# KiCad board USB_panel.kicad_pcb (continued)
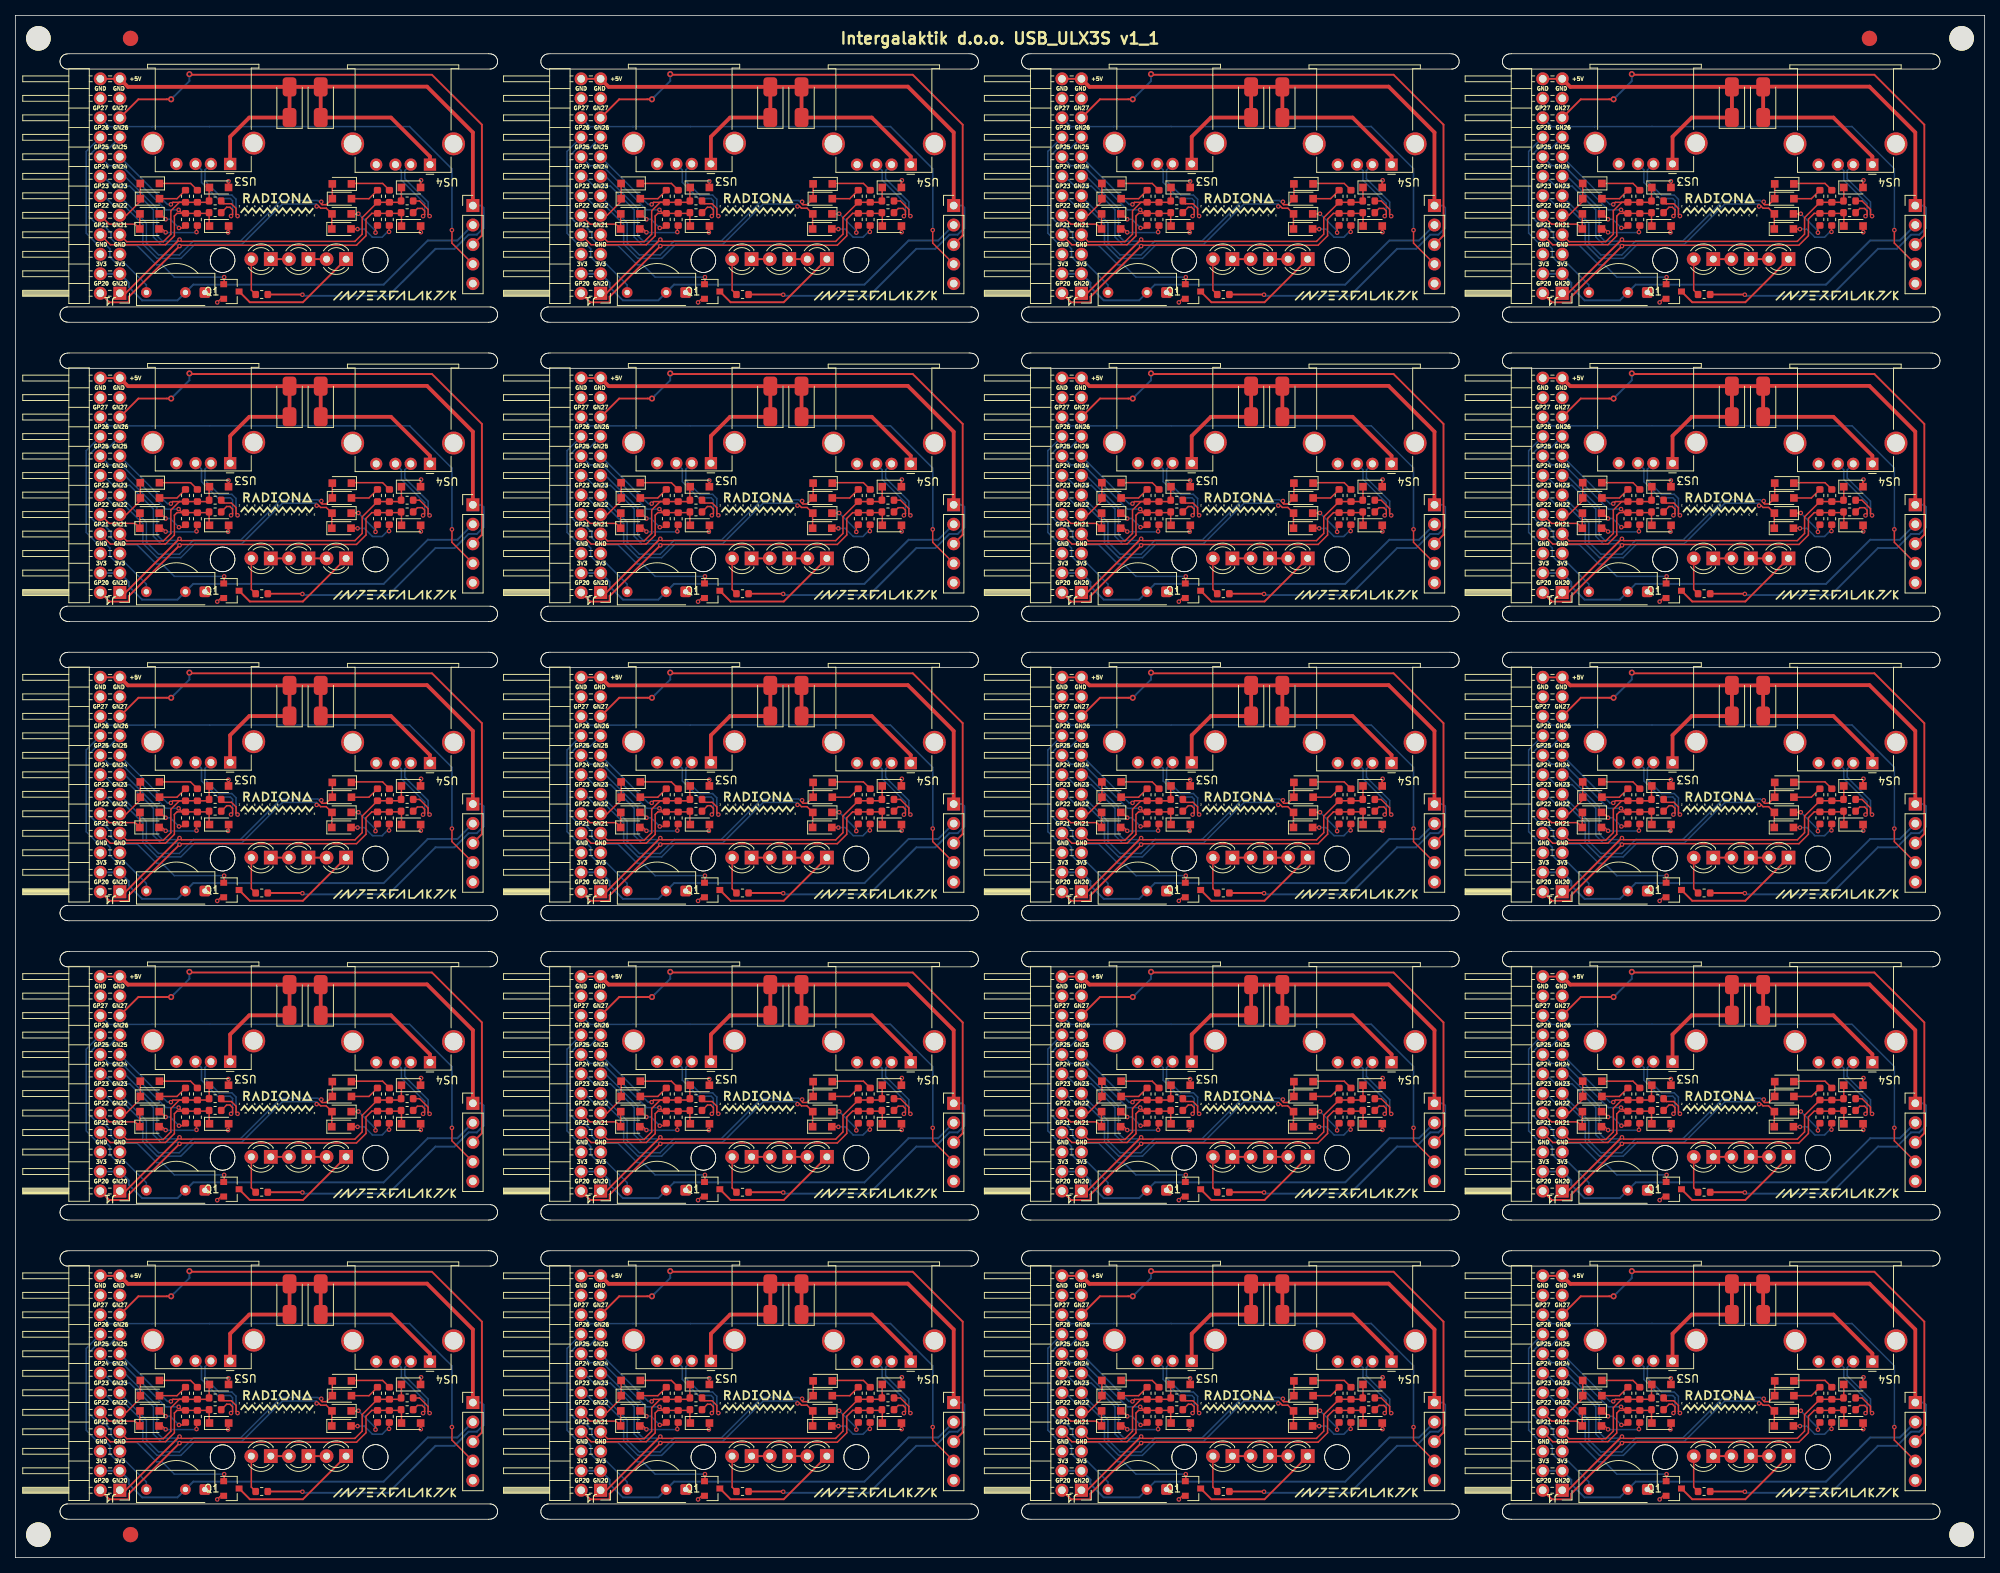
[diagram p0: board, top side]
## Nets (continued)
Board_17-/FPD1+: R6#10.2 US3#17.3
Board_17-/FPD1-: R5#11.2 US3#17.2
Board_17-/FPD2+: R12.2 US4#18.3
Board_17-/FPD2-: R11#20.2 US4#18.2
Board_17-GN26: J1#3.17 Q1#20.1
Board_17-GN27: J1#3.19 J2#18.3
Board_17-GND: D5#12.2 D7#5.2 D12#18.2 D14#13.2 J1#3.5 J1#3.6 J1#3.21 J1#3.22 J2#18.5 Q1#20.2 U1#20.1 US3#17.4 US3#17.5 US4#18.4 US4#18.5
Board_17-GP26: J1#3.18 U1#20.3
Board_17-GP27: J1#3.20 J2#18.4
Board_17-Net-(D1-K): D1#18.1 R1#17.1
Board_17-Net-(D2-A): D2#8.2 R2#9.1
Board_17-Net-(D3-K): D3#20.1 R3#10.2
Board_17-Net-(D4-A): D4.2 R4#12.1
Board_17-Net-(D8-K): D8#9.1 R7#13.1
Board_17-Net-(D9-A): D9#7.2 R8#10.1
Board_17-Net-(D10-K): D10#6.1 R9#3.2
Board_17-Net-(D11-A): D11#8.2 R10#11.1
Board_17-Net-(D15-A): D15#15.2 R13#7.2
Board_17-Net-(D15-K): D15#15.1 D16#20.2
Board_17-Net-(D16-K): D16#20.1 D17#4.2
Board_17-Net-(D17-K): D17#4.1 Q1#20.3
Board_17-USB1_FPGA_D+: D5#12.1 J1#3.8 J1#3.16 R1#17.2 R2#9.2 R6#10.1
Board_17-USB1_FPGA_D-: D7#5.1 J1#3.7 J1#3.15 R3#10.1 R4#12.2 R5#11.1
Board_17-USB1_FPGA_PULL_D+: D1#18.2 D2#8.1 J1#3.10
Board_17-USB1_FPGA_PULL_D-: D3#20.2 D4.1 J1#3.9
Board_17-USB2_FPGA_D+: D12#18.1 J1#3.2 J1#3.14 R7#13.2 R8#10.2 R12.1
Board_17-USB2_FPGA_D-: D14#13.1 J1#3.1 J1#3.13 R9#3.1 R10#11.2 R11#20.1
Board_17-USB2_FPGA_PULL_D+: D8#9.2 D9#7.1 J1#3.12
Board_17-USB2_FPGA_PULL_D-: D10#6.2 D11#8.1 J1#3.11
Board_18-+3V3: J1#7.3 J1#7.4 J2#7.2 U1#10.2
Board_18-+5V: D6#6.1 D6#6.2 D13#9.1 D13#9.2 J1#7.23 J1#7.24 J2#7.1 R13#14.1 US3#11.1 US4#15.1
Board_18-/FPD1+: R6#5.2 US3#11.3
Board_18-/FPD1-: R5#5.2 US3#11.2
Board_18-/FPD2+: R12#4.2 US4#15.3
Board_18-/FPD2-: R11.2 US4#15.2
Board_18-GN26: J1#7.17 Q1#3.1
Board_18-GN27: J1#7.19 J2#7.3
Board_18-GND: D5#16.2 D7#18.2 D12#16.2 D14#17.2 J1#7.5 J1#7.6 J1#7.21 J1#7.22 J2#7.5 Q1#3.2 U1#10.1 US3#11.4 US3#11.5 US4#15.4 US4#15.5
Board_18-GP26: J1#7.18 U1#10.3
Board_18-GP27: J1#7.20 J2#7.4
Board_18-Net-(D1-K): D1#9.1 R1#11.1
Board_18-Net-(D2-A): D2#5.2 R2#2.1
Board_18-Net-(D3-K): D3#10.1 R3#16.2
Board_18-Net-(D4-A): D4#8.2 R4#8.1
Board_18-Net-(D8-K): D8#11.1 R7#19.1
Board_18-Net-(D9-A): D9#12.2 R8#15.1
Board_18-Net-(D10-K): D10.1 R9#5.2
Board_18-Net-(D11-A): D11#10.2 R10#13.1
Board_18-Net-(D15-A): D15#7.2 R13#14.2
Board_18-Net-(D15-K): D15#7.1 D16#10.2
Board_18-Net-(D16-K): D16#10.1 D17#3.2
Board_18-Net-(D17-K): D17#3.1 Q1#3.3
Board_18-USB1_FPGA_D+: D5#16.1 J1#7.8 J1#7.16 R1#11.2 R2#2.2 R6#5.1
Board_18-USB1_FPGA_D-: D7#18.1 J1#7.7 J1#7.15 R3#16.1 R4#8.2 R5#5.1
Board_18-USB1_FPGA_PULL_D+: D1#9.2 D2#5.1 J1#7.10
Board_18-USB1_FPGA_PULL_D-: D3#10.2 D4#8.1 J1#7.9
Board_18-USB2_FPGA_D+: D12#16.1 J1#7.2 J1#7.14 R7#19.2 R8#15.2 R12#4.1
Board_18-USB2_FPGA_D-: D14#17.1 J1#7.1 J1#7.13 R9#5.1 R10#13.2 R11.1
Board_18-USB2_FPGA_PULL_D+: D8#11.2 D9#12.1 J1#7.12
Board_18-USB2_FPGA_PULL_D-: D10.2 D11#10.1 J1#7.11
Board_19-+3V3: J1#16.3 J1#16.4 J2#4.2 U1#16.2
Board_19-+5V: D6#8.1 D6#8.2 D13#11.1 D13#11.2 J1#16.23 J1#16.24 J2#4.1 R13.1 US3.1 US4#17.1
Board_19-/FPD1+: R6#9.2 US3.3
Board_19-/FPD1-: R5#17.2 US3.2
Board_19-/FPD2+: R12#7.2 US4#17.3
Board_19-/FPD2-: R11#15.2 US4#17.2
Board_19-GN26: J1#16.17 Q1#9.1
Board_19-GN27: J1#16.19 J2#4.3
Board_19-GND: D5#20.2 D7.2 D12#6.2 D14#20.2 J1#16.5 J1#16.6 J1#16.21 J1#16.22 J2#4.5 Q1#9.2 U1#16.1 US3.4 US3.5 US4#17.4 US4#17.5
Board_19-GP26: J1#16.18 U1#16.3
Board_19-GP27: J1#16.20 J2#4.4
Board_19-Net-(D1-K): D1#7.1 R1#13.1
Board_19-Net-(D2-A): D2#15.2 R2#12.1
Board_19-Net-(D3-K): D3#17.1 R3#4.2
Board_19-Net-(D4-A): D4#7.2 R4#13.1
Board_19-Net-(D8-K): D8#3.1 R7#8.1
Board_19-Net-(D9-A): D9#15.2 R8#3.1
Board_19-Net-(D10-K): D10#19.1 R9#12.2
Board_19-Net-(D11-A): D11#3.2 R10#20.1
Board_19-Net-(D15-A): D15#4.2 R13.2
Board_19-Net-(D15-K): D15#4.1 D16#19.2
Board_19-Net-(D16-K): D16#19.1 D17#8.2
Board_19-Net-(D17-K): D17#8.1 Q1#9.3
Board_19-USB1_FPGA_D+: D5#20.1 J1#16.8 J1#16.16 R1#13.2 R2#12.2 R6#9.1
Board_19-USB1_FPGA_D-: D7.1 J1#16.7 J1#16.15 R3#4.1 R4#13.2 R5#17.1
Board_19-USB1_FPGA_PULL_D+: D1#7.2 D2#15.1 J1#16.10
Board_19-USB1_FPGA_PULL_D-: D3#17.2 D4#7.1 J1#16.9
Board_19-USB2_FPGA_D+: D12#6.1 J1#16.2 J1#16.14 R7#8.2 R8#3.2 R12#7.1
Board_19-USB2_FPGA_D-: D14#20.1 J1#16.1 J1#16.13 R9#12.1 R10#20.2 R11#15.1
Board_19-USB2_FPGA_PULL_D+: D8#3.2 D9#15.1 J1#16.12
Board_19-USB2_FPGA_PULL_D-: D10#19.2 D11#3.1 J1#16.11

## Via types
v1: diameter 0.6, hole 0.3, Top to Bottom, 520 vias
v2: diameter 0.8, hole 0.4, Top to Bottom, 40 vias

## Routing (per net, layer and track width the routed paths; a pad name or vN(x,y) marks a point on that pad's centre or on a via; arc(x,y) is an arc through that point)
Board_0-+3V3: length 54.3
  Bottom w0.25: J2#17.2 57.56,171.61 53.7,171.61 47.95,165.86 23.17,165.86 U1#6.2 21.11,163.81 16.5,163.81 14.78,165.53 14.78,166.09 J1#8.3 J1#8.4
Board_0-+5V: length 134.7
  Top w0.2: D13#20.2 39.81,191.58
  Top w0.25: v1(37.38,164.54) 37.35,164.57 R13#15.1 ; 11.06,192.67 13.6,192.67
  Top w0.5: D6#11.2 14.65,191.62 13.6,192.67 ; D6#11.2 D13#20.2 ; D6#11.2 D6#11.1 30.46,187.62 27.97,185.13 US3#14.1 ; J2#17.1 59.58,185.68 53.61,191.65 39.8,191.65 D13#20.2 ; D13#20.2 D13#20.1 48.91,187.62 53.99,182.54 US4#4.1
  Bottom w0.25: v1(37.38,164.54) 37.52,164.4 48.59,164.4 54.71,170.52 57.19,170.52 58.4,171.73 58.4,171.75 59.02,172.36 60.09,172.36 60.97,173.23 60.97,175.87 60.68,176.16 J2#17.1
Board_0-/FPD1+: length 12.6
  Top w0.2: v1(28.08,174.79) 28.28,174.99 28.28,175.6 27.94,175.94 27.52,175.94 R6#4.2
  Bottom w0.2: US3#14.3 24.24,180.81 24.24,179.17 26.34,177.08 28,177.08 28.28,176.79 28.28,174.99 v1(28.08,174.79)
Board_0-/FPD1-: length 13.2
  Top w0.2: R5#2.2 27.17,176.39 28.13,176.39 28.74,175.79 28.74,174.99 v1(28.93,174.79)
  Bottom w0.2: US3#14.2 24.69,180.81 24.69,179.36 26.52,177.53 28.18,177.53 28.74,176.98 28.74,174.99 v1(28.93,174.79)
Board_0-/FPD2+: length 11
  Top w0.2: v1(53.09,174.78) 53.29,174.98 53.29,175.47 52.98,175.78 52.36,175.78 R12#17.2
  Bottom w0.2: US4#4.3 50.26,180.72 50.26,179.47 53.29,176.44 53.29,174.98 v1(53.09,174.78)
Board_0-/FPD2-: length 12.4
  Top w0.2: R11#18.2 52.64,176.76 53.75,175.66 53.75,174.98 v1(53.95,174.78) ; 50.79,181.68 51.24,182.13
  Bottom w0.2: v1(53.95,174.78) 53.75,174.98 53.75,176.63 50.72,179.66 50.72,180.72 US4#4.2
Board_0-GN26: length 35.1
  Top w0.2: Q1#2.1 27.19,165.97 v1(27.19,166.83)
  Bottom w0.2: 13.6,185.05 12.21,183.66 10.59,183.66 9.63,182.7 9.63,174.7 10.83,173.5 11.57,173.5 12.45,172.61 12.45,171.87 13.37,170.96 15.85,170.96 18.37,168.44 19.09,168.44 20.7,166.83 v1(27.19,166.83)
Board_0-GN27: length 68.9
  Top w0.25: v2(20.29,190.01) 16.02,190.01 13.6,187.59 ; J2#17.3 60.75,172.26 60.75,186.69 54.25,193.2 22.75,193.2 v2(22.67,193.28)
  Bottom w0.25: v2(22.67,193.28) 22.67,192.38 v2(20.29,190.01)
Board_0-GND: length 4.8
  Top w0.2: D7#19.2 27.76,179.31 v1(27.75,179.32) ; Q1#2.2 26.76,164.01 v1(26.29,163.54) ; D5#8.2 27.78,172.74 v1(27.7,172.66)
  Top w0.25: v1(52.83,179.45) 52.77,179.39 D14#14.2 ; v1(52.8,172.69) 52.78,172.71 D12#4.2
  Bottom w0.5: 43.67,184.84 44.03,184.84
Board_0-GP26: length 25.5
  Bottom w0.2: U1#6.3 17.06,165.82 14.32,168.56 13.23,168.56 12.31,169.48 12.31,170.52 11.73,171.1 10.69,171.1 9.23,172.56 9.23,183.22 11.06,185.05
Board_0-GP27: length 62.1
  Top w0.2: J2#17.4 56.85,171.27 v1(56.85,172.96)
  Bottom w0.2: v1(56.85,172.96) 56.85,180.94 51.34,186.45 17.82,186.45 17.81,186.44 12.21,186.44 11.06,187.59
Board_0-Net-(D1-K): length 4.3
  Top w0.2: v1(19.57,174.37) 18.87,175.07 D1#15.1 ; v1(21.3,173.24) 21.83,173.24 R1#8.1
  Bottom w0.2: v1(19.57,174.37) 20.17,174.37 v1(21.3,173.24)
Board_0-Net-(D2-A): length 6
  Top w0.2: R2#4.1 23.59,173.44 v1(23.59,172.7) ; v1(19.57,172.67) 19.13,173.11 D2#20.2
  Bottom w0.2: v1(19.57,172.67) 19.6,172.64 23.53,172.64 v1(23.59,172.7)
Board_0-Net-(D3-K): length 5.3
  Top w0.2: D3#6.1 22.82,179.04 R3#3.2
Board_0-Net-(D4-A): length 3.8
  Top w0.2: R4#11.1 21.05,177.05 D4#15.2
Board_0-Net-(D8-K): length 5.4
  Top w0.2: D8#5.1 44.65,175.07 v1(44.67,175.09) ; R7#14.1 46.9,173.31 v1(46.9,172.63)
  Bottom w0.2: v1(44.67,175.09) 46.9,172.86 v1(46.9,172.63)
Board_0-Net-(D9-A): length 6.5
  Top w0.2: D9#2.2 44.54,173.11 v1(44.56,173.09) ; v1(48.66,172.73) 48.66,173.52 R8#5.1
  Bottom w0.2: v1(44.56,173.09) 45.45,173.09 46.51,172.03 47.76,172.03 48.46,172.73 v1(48.66,172.73)
Board_0-Net-(D10-K): length 5.3
  Top w0.2: R9#8.2 47.83,179.04 43.77,179.04
Board_0-Net-(D11-A): length 3.8
  Top w0.2: R10#5.1 46.05,177.05 D11#18.2
Board_0-Net-(D15-A): length 4.8
  Top w0.2: D15#11.2 30.73,165.14 R13#15.2
Board_0-Net-(D15-K): length 2.4
  Top w0.25: D15#11.1 D16#5.2
Board_0-Net-(D16-K): length 2.4
  Top w0.25: D16#5.1 D17#9.2
Board_0-Net-(D17-K): length 16.8
  Top w0.25: Q1#2.3 30.53,163.56 37.45,163.56 D17#9.1
Board_0-USB1_FPGA_D+: length 33.9
  Top w0.2: 11.06,172.35 12.36,171.05 19.55,171.05 20.71,172.21 20.71,174.8 21.05,175.14 R1#8.2 ; v1(21.26,175.6) 21.72,175.14 R1#8.2 ; R1#8.2 25.14,175.14 R6#4.1 25.23,173.54 D5#8.1
  Bottom w0.2: 11.06,182.51 12.21,181.36 13.84,181.36 19.6,175.6 v1(21.26,175.6)
Board_0-USB1_FPGA_D-: length 29
  Top w0.2: v1(20.25,176.31) 20.52,176.58 R4#11.2 ; R4#11.2 21.36,176.58 20.25,175.48 20.25,172.44 19.27,171.45 14.5,171.45 13.6,172.35 ; R4#11.2 23.7,176.58 R3#3.1 25.05,176.58 R5#2.1 25.23,178.48 D7#19.1
  Bottom w0.2: 13.6,182.51 19.8,176.31 v1(20.25,176.31)
Board_0-USB1_FPGA_PULL_D+: length 7.9
  Top w0.2: 11.06,174.89 12.21,173.74 15.58,173.74 D2#20.1 16.21,175.05 D1#15.2
Board_0-USB1_FPGA_PULL_D-: length 5.8
  Top w0.2: 13.6,174.89 14.46,174.89 16.27,176.7 D4#15.1 D3#6.2
Board_0-USB2_FPGA_D+: length 64.1
  Top w0.2: D12#4.1 50.28,175.18 R12#17.1 50.14,175.14 R7#14.2 46.42,175.14 45.66,174.38 45.66,172.23 44.43,170.99 21.5,170.99 v1(21.38,170.88)
  Top w0.25: J1#8.2 12.24,163.56 14.78,163.56 14.78,164.28 v1(21.38,170.88)
  Bottom w0.2: 11.06,179.97 11.51,179.52 11.9,179.52 12.73,178.69 14.89,178.69 17.97,175.61 17.97,172.06 18.96,171.08 21.18,171.08 v1(21.38,170.88)
Board_0-USB2_FPGA_D-: length 58.3
  Top w0.2: D14#14.1 50.27,176.79 R11#18.1 50.06,176.58 R10#5.2 45.16,174.59 45.16,172.44 44.22,171.49 21.61,171.49 v1(21.38,171.73)
  Top w0.25: v1(21.38,171.73) 21.35,171.73 14.35,164.73 J1#8.1
  Bottom w0.2: v1(21.38,171.73) 21.18,171.53 19.14,171.53 18.43,172.25 18.43,175.8 14.25,179.97 13.6,179.97
Board_0-USB2_FPGA_PULL_D+: length 40.7
  Top w0.2: D9#2.1 41.21,175.05 D8#5.2 40.49,175.82 39.76,175.82 39.52,176.05 v1(39.24,176.05)
  Bottom w0.2: v1(39.24,176.05) 39.24,176.33 39.21,176.37 34.77,176.37 29.51,171.11 23.37,171.11 21.54,169.28 18.46,169.28 16.61,171.13 16.61,173.71 14.15,176.16 12.77,176.16 11.5,177.43 J1#8.12
Board_0-USB2_FPGA_PULL_D-: length 38.1
  Top w0.2: 41.27,179.04 D11#18.1 40.49,176.27 39.94,176.27 39.84,176.37 v1(39.84,176.65)
  Bottom w0.2: v1(39.84,176.65) 39.56,176.65 39.39,176.82 34.59,176.82 29.33,171.56 23.19,171.56 21.36,169.73 18.64,169.73 17.06,171.32 17.06,173.91 13.6,177.36 J1#8.11
Board_1-+3V3: length 54.3
  Bottom w0.25: J1#5.4 J1#5.3 77.39,166.09 77.39,165.53 79.12,163.81 83.73,163.81 U1#7.2 85.78,165.86 110.56,165.86 116.31,171.61 120.18,171.61 J2#3.2
Board_1-+5V: length 134.7
  Top w0.2: D13#3.2 102.42,191.58
  Top w0.25: R13#8.1 99.96,164.57 v1(99.99,164.54) ; 73.67,192.67 76.21,192.67
  Top w0.5: US4#13.1 116.6,182.54 111.52,187.62 D13#3.1 D13#3.2 ; US3#15.1 90.58,185.13 93.07,187.62 D6#13.1 D6#13.2 ; D13#3.2 102.41,191.65 116.22,191.65 122.19,185.68 J2#3.1 ; D13#3.2 D6#13.2 ; D6#13.2 77.26,191.62 76.21,192.67
  Bottom w0.25: J2#3.1 123.29,176.16 123.58,175.87 123.58,173.23 122.7,172.36 121.63,172.36 121.01,171.75 121.01,171.73 119.8,170.52 117.32,170.52 111.2,164.4 100.13,164.4 v1(99.99,164.54)
Board_1-/FPD1+: length 12.6
  Top w0.2: R6#3.2 90.13,175.94 90.55,175.94 90.89,175.6 90.89,174.99 v1(90.7,174.79)
  Bottom w0.2: v1(90.7,174.79) 90.89,174.99 90.89,176.79 90.61,177.08 88.95,177.08 86.85,179.17 86.85,180.81 US3#15.3
Board_1-/FPD1-: length 13.2
  Top w0.2: R5#19.2 89.78,176.39 90.74,176.39 91.35,175.79 91.35,174.99 v1(91.55,174.79)
  Bottom w0.2: US3#15.2 87.3,180.81 87.3,179.36 89.13,177.53 90.79,177.53 91.35,176.98 91.35,174.99 v1(91.55,174.79)
Board_1-/FPD2+: length 11
  Top w0.2: R12#6.2 114.97,175.78 115.59,175.78 115.9,175.47 115.9,174.98 v1(115.71,174.78)
  Bottom w0.2: v1(115.71,174.78) 115.9,174.98 115.9,176.44 112.87,179.47 112.87,180.72 US4#13.3
Board_1-/FPD2-: length 12.4
  Top w0.2: v1(116.56,174.78) 116.36,174.98 116.36,175.66 115.25,176.76 R11#7.2 ; 113.4,181.68 113.85,182.13
  Bottom w0.2: v1(116.56,174.78) 116.36,174.98 116.36,176.63 113.33,179.66 113.33,180.72 US4#13.2
Board_1-GN26: length 35.1
  Top w0.2: Q1#18.1 89.8,165.97 v1(89.8,166.83)
  Bottom w0.2: v1(89.8,166.83) 83.31,166.83 81.7,168.44 80.98,168.44 78.46,170.96 75.98,170.96 75.06,171.87 75.06,172.61 74.18,173.5 73.44,173.5 72.24,174.7 72.24,182.7 73.2,183.66 74.82,183.66 76.21,185.05
Board_1-GN27: length 68.9
  Top w0.25: v2(82.9,190.01) 78.63,190.01 76.21,187.59 ; J2#3.3 123.36,172.26 123.36,186.69 116.86,193.2 85.36,193.2 v2(85.28,193.28)
  Bottom w0.25: v2(85.28,193.28) 85.28,192.38 v2(82.9,190.01)
Board_1-GND: length 4.8
  Top w0.2: v1(88.9,163.54) 89.37,164.01 Q1#18.2 ; D7#12.2 90.38,179.31 v1(90.36,179.32) ; D5#19.2 90.39,172.74 v1(90.31,172.66)
  Top w0.25: v1(115.41,172.69) 115.39,172.71 D12#3.2 ; D14#4.2 115.38,179.39 v1(115.44,179.45)
  Bottom w0.5: 106.28,184.84 106.64,184.84
Board_1-GP26: length 25.5
  Bottom w0.2: 73.67,185.05 71.84,183.22 71.84,172.56 73.3,171.1 74.34,171.1 74.92,170.52 74.92,169.48 75.84,168.56 76.93,168.56 79.67,165.82 U1#7.3
Board_1-GP27: length 62.1
  Top w0.2: J2#3.4 119.46,171.27 v1(119.46,172.96)
  Bottom w0.2: v1(119.46,172.96) 119.46,180.94 113.95,186.45 80.43,186.45 80.42,186.44 74.82,186.44 73.67,187.59
Board_1-Net-(D1-K): length 4.3
  Top w0.2: R1#7.1 84.44,173.24 v1(83.91,173.24) ; v1(82.18,174.37) 81.48,175.07 D1#2.1
  Bottom w0.2: v1(83.91,173.24) 82.78,174.37 v1(82.18,174.37)
Board_1-Net-(D2-A): length 6
  Top w0.2: R2#13.1 86.2,173.44 v1(86.2,172.7) ; D2#7.2 81.74,173.11 v1(82.18,172.67)
  Bottom w0.2: v1(86.2,172.7) 86.14,172.64 82.21,172.64 v1(82.18,172.67)
Board_1-Net-(D3-K): length 5.3
  Top w0.2: D3#8.1 85.43,179.04 R3#17.2
Board_1-Net-(D4-A): length 3.8
  Top w0.2: R4#4.1 83.66,177.05 D4#14.2
Board_1-Net-(D8-K): length 5.4
  Top w0.2: v1(107.28,175.09) 107.26,175.07 D8#2.1 ; R7#3.1 109.51,173.31 v1(109.51,172.63)
  Bottom w0.2: v1(109.51,172.63) 109.51,172.86 v1(107.28,175.09)
Board_1-Net-(D9-A): length 6.5
  Top w0.2: v1(107.17,173.09) 107.15,173.11 D9#18.2 ; R8#14.1 111.27,173.52 v1(111.27,172.73)
  Bottom w0.2: v1(111.27,172.73) 111.07,172.73 110.37,172.03 109.12,172.03 108.06,173.09 v1(107.17,173.09)
Board_1-Net-(D10-K): length 5.3
  Top w0.2: R9#18.2 110.44,179.04 106.38,179.04
Board_1-Net-(D11-A): length 3.8
  Top w0.2: D11#9.2 108.66,177.05 R10#16.1
Board_1-Net-(D15-A): length 4.8
  Top w0.2: D15#6.2 93.34,165.14 R13#8.2
Board_1-Net-(D15-K): length 2.4
  Top w0.25: D15#6.1 D16#7.2
Board_1-Net-(D16-K): length 2.4
  Top w0.25: D16#7.1 D17#11.2
Board_1-Net-(D17-K): length 16.8
  Top w0.25: D17#11.1 100.06,163.56 93.14,163.56 Q1#18.3
Board_1-USB1_FPGA_D+: length 33.9
  Top w0.2: R1#7.2 83.66,175.14 83.31,174.8 83.31,172.21 82.16,171.05 74.97,171.05 73.67,172.35 ; R1#7.2 84.33,175.14 v1(83.87,175.6) ; R1#7.2 87.75,175.14 R6#3.1 87.84,173.54 D5#19.1
  Bottom w0.2: 73.67,182.51 74.82,181.36 76.45,181.36 82.21,175.6 v1(83.87,175.6)
Board_1-USB1_FPGA_D-: length 29
  Top w0.2: R4#4.2 86.31,176.58 R3#17.1 87.66,176.58 R5#19.1 87.84,178.48 D7#12.1 ; R4#4.2 83.97,176.58 82.87,175.48 82.87,172.44 81.88,171.45 77.11,171.45 76.21,172.35 ; R4#4.2 83.13,176.58 v1(82.86,176.31)
  Bottom w0.2: v1(82.86,176.31) 82.41,176.31 76.21,182.51
Board_1-USB1_FPGA_PULL_D+: length 7.9
  Top w0.2: D1#2.2 78.82,175.05 D2#7.1 78.19,173.74 74.82,173.74 73.67,174.89
Board_1-USB1_FPGA_PULL_D-: length 5.8
  Top w0.2: 76.21,174.89 77.07,174.89 78.88,176.7 D4#14.1 D3#8.2
Board_1-USB2_FPGA_D+: length 64.1
  Top w0.2: v1(83.99,170.88) 84.11,170.99 107.04,170.99 108.27,172.23 108.27,174.38 109.03,175.14 R7#3.2 112.75,175.14 R12#6.1 112.89,175.18 D12#3.1
  Top w0.25: J1#5.2 74.85,163.56 77.39,163.56 77.39,164.28 v1(83.99,170.88)
  Bottom w0.2: v1(83.99,170.88) 83.79,171.08 81.57,171.08 80.59,172.06 80.59,175.61 77.5,178.69 75.34,178.69 74.51,179.52 74.12,179.52 73.67,179.97
Board_1-USB2_FPGA_D-: length 58.3
  Top w0.2: D14#4.1 112.88,176.79 R11#7.1 112.66,176.58 R10#16.2 107.77,174.59 107.77,172.44 106.83,171.49 84.22,171.49 v1(83.99,171.73)
  Top w0.25: J1#5.1 76.96,164.73 83.96,171.73 v1(83.99,171.73)
  Bottom w0.2: 76.21,179.97 76.86,179.97 81.04,175.8 81.04,172.25 81.75,171.53 83.79,171.53 v1(83.99,171.73)
Board_1-USB2_FPGA_PULL_D+: length 40.7
  Top w0.2: v1(101.85,176.05) 102.13,176.05 102.37,175.82 103.1,175.82 D8#2.2 103.82,175.05 D9#18.1
  Bottom w0.2: J1#5.12 74.11,177.43 75.38,176.16 76.76,176.16 79.22,173.71 79.22,171.13 81.07,169.28 84.15,169.28 85.98,171.11 92.12,171.11 97.38,176.37 101.82,176.37 101.85,176.33 v1(101.85,176.05)
Board_1-USB2_FPGA_PULL_D-: length 38.1
  Top w0.2: 103.88,179.04 D11#9.1 103.1,176.27 102.55,176.27 102.45,176.37 v1(102.45,176.65)
  Bottom w0.2: v1(102.45,176.65) 102.17,176.65 102,176.82 97.2,176.82 91.94,171.56 85.8,171.56 83.97,169.73 81.25,169.73 79.67,171.32 79.67,173.91 76.21,177.36 J1#5.11
Board_2-+3V3: length 54.3
  Bottom w0.25: J2#14.2 182.78,171.61 178.93,171.61 173.18,165.86 148.38,165.86 U1#13.2 146.34,163.81 141.72,163.81 140,165.53 140,166.09 J1#15.3 J1#15.4
Board_2-+5V: length 134.7
  Top w0.2: D13#8.2 165.03,191.58
  Top w0.25: v1(162.6,164.54) 162.57,164.57 R13#20.1 ; 136.28,192.67 138.82,192.67
  Top w0.5: D13#8.2 165.02,191.65 178.83,191.65 184.8,185.68 J2#14.1 ; D13#8.2 D13#8.1 174.13,187.62 179.21,182.54 US4#6.1 ; D13#8.2 D6#16.2 ; D6#16.2 D6#16.1 155.68,187.62 153.19,185.13 US3#9.1 ; D6#16.2 139.87,191.62 138.82,192.67
  Bottom w0.25: J2#14.1 185.9,176.16 186.19,175.87 186.19,173.23 185.31,172.36 184.24,172.36 183.62,171.75 183.62,171.73 182.41,170.52 179.93,170.52 173.81,164.4 162.74,164.4 v1(162.6,164.54)
Board_2-/FPD1+: length 12.6
  Top w0.2: v1(153.31,174.79) 153.5,174.99 153.5,175.6 153.16,175.94 152.74,175.94 R6#19.2
  Bottom w0.2: v1(153.31,174.79) 153.5,174.99 153.5,176.79 153.22,177.08 151.56,177.08 149.46,179.17 149.46,180.81 US3#9.3
Board_2-/FPD1-: length 13.2
  Top w0.2: v1(154.16,174.79) 153.96,174.99 153.96,175.79 153.35,176.39 152.39,176.39 R5#3.2
  Bottom w0.2: US3#9.2 149.91,180.81 149.91,179.36 151.74,177.53 153.4,177.53 153.96,176.98 153.96,174.99 v1(154.16,174.79)
Board_2-/FPD2+: length 11
  Top w0.2: R12#2.2 177.58,175.78 178.2,175.78 178.51,175.47 178.51,174.98 v1(178.31,174.78)
  Bottom w0.2: US4#6.3 175.48,180.72 175.48,179.47 178.51,176.44 178.51,174.98 v1(178.31,174.78)
Board_2-/FPD2-: length 12.4
  Top w0.2: 176.01,181.68 176.46,182.13 ; R11#12.2 177.86,176.76 178.97,175.66 178.97,174.98 v1(179.16,174.78)
  Bottom w0.2: US4#6.2 175.94,180.72 175.94,179.66 178.97,176.63 178.97,174.98 v1(179.16,174.78)
Board_2-GN26: length 35.1
  Top w0.2: v1(152.41,166.83) 152.41,165.97 Q1#4.1
  Bottom w0.2: 138.82,185.05 137.43,183.66 135.81,183.66 134.85,182.7 134.85,174.7 136.05,173.5 136.79,173.5 137.67,172.61 137.67,171.87 138.59,170.96 141.07,170.96 143.59,168.44 144.31,168.44 145.92,166.83 v1(152.41,166.83)
Board_2-GN27: length 68.9
  Top w0.25: J2#14.3 185.97,172.26 185.97,186.69 179.47,193.2 147.97,193.2 v2(147.89,193.28) ; 138.82,187.59 141.24,190.01 v2(145.51,190.01)
  Bottom w0.25: v2(147.89,193.28) 147.89,192.38 v2(145.51,190.01)
Board_2-GND: length 4.8
  Top w0.2: v1(152.97,179.32) 152.99,179.31 D7#10.2 ; v1(152.92,172.66) 153,172.74 D5#5.2 ; Q1#4.2 151.98,164.01 v1(151.51,163.54)
  Top w0.25: v1(178.05,179.45) 177.99,179.39 D14#2.2 ; v1(178.02,172.69) 178,172.71 D12#8.2
  Bottom w0.5: 168.89,184.84 169.25,184.84
Board_2-GP26: length 25.5
  Bottom w0.2: U1#13.3 142.28,165.82 139.54,168.56 138.45,168.56 137.53,169.48 137.53,170.52 136.95,171.1 135.91,171.1 134.45,172.56 134.45,183.22 136.28,185.05
Board_2-GP27: length 62.1
  Top w0.2: v1(182.07,172.96) 182.07,171.27 J2#14.4
  Bottom w0.2: 136.28,187.59 137.43,186.44 143.03,186.44 143.04,186.45 176.56,186.45 182.07,180.94 v1(182.07,172.96)
Board_2-Net-(D1-K): length 4.3
  Top w0.2: v1(144.79,174.37) 144.09,175.07 D1#10.1 ; v1(146.52,173.24) 147.05,173.24 R1#9.1
  Bottom w0.2: v1(146.52,173.24) 145.39,174.37 v1(144.79,174.37)
Board_2-Net-(D2-A): length 6
  Top w0.2: v1(144.79,172.67) 144.35,173.11 D2#3.2 ; v1(148.81,172.7) 148.81,173.44 R2#7.1
  Bottom w0.2: v1(144.79,172.67) 144.82,172.64 148.75,172.64 v1(148.81,172.7)
Board_2-Net-(D3-K): length 5.3
  Top w0.2: D3#11.1 148.04,179.04 R3#19.2
Board_2-Net-(D4-A): length 3.8
  Top w0.2: D4#6.2 146.27,177.05 R4#16.1
Board_2-Net-(D8-K): length 5.4
  Top w0.2: R7#4.1 172.12,173.31 v1(172.12,172.63) ; v1(169.89,175.09) 169.87,175.07 D8#13.1
  Bottom w0.2: v1(169.89,175.09) 172.12,172.86 v1(172.12,172.63)
Board_2-Net-(D9-A): length 6.5
  Top w0.2: R8#16.1 173.88,173.52 v1(173.88,172.73) ; v1(169.78,173.09) 169.76,173.11 D9#14.2
  Bottom w0.2: v1(173.88,172.73) 173.68,172.73 172.98,172.03 171.73,172.03 170.67,173.09 v1(169.78,173.09)
Board_2-Net-(D10-K): length 5.3
  Top w0.2: 168.99,179.04 173.05,179.04 R9#15.2
Board_2-Net-(D11-A): length 3.8
  Top w0.2: D11#14.2 171.27,177.05 R10#3.1
Board_2-Net-(D15-A): length 4.8
  Top w0.2: D15#8.2 155.95,165.14 R13#20.2
Board_2-Net-(D15-K): length 2.4
  Top w0.25: D15#8.1 D16#13.2
Board_2-Net-(D16-K): length 2.4
  Top w0.25: D16#13.1 D17#19.2
Board_2-Net-(D17-K): length 16.8
  Top w0.25: Q1#4.3 155.75,163.56 162.67,163.56 D17#19.1
Board_2-USB1_FPGA_D+: length 33.9
  Top w0.2: 136.28,172.35 137.58,171.05 144.77,171.05 145.93,172.21 145.93,174.8 146.27,175.14 R1#9.2 ; D5#5.1 150.45,173.54 R6#19.1 150.36,175.14 R1#9.2 ; R1#9.2 146.94,175.14 v1(146.48,175.6)
  Bottom w0.2: 136.28,182.51 137.43,181.36 139.06,181.36 144.82,175.6 v1(146.48,175.6)
Board_2-USB1_FPGA_D-: length 29
  Top w0.2: D7#10.1 150.45,178.48 R5#3.1 150.27,176.58 R3#19.1 148.92,176.58 R4#16.2 ; R4#16.2 145.74,176.58 v1(145.47,176.31) ; R4#16.2 146.58,176.58 145.47,175.48 145.47,172.44 144.49,171.45 139.72,171.45 138.82,172.35
  Bottom w0.2: v1(145.47,176.31) 145.02,176.31 138.82,182.51
Board_2-USB1_FPGA_PULL_D+: length 7.9
  Top w0.2: 136.28,174.89 137.43,173.74 140.8,173.74 D2#3.1 141.43,175.05 D1#10.2
Board_2-USB1_FPGA_PULL_D-: length 5.8
  Top w0.2: D3#11.2 D4#6.1 141.49,176.7 139.68,174.89 138.82,174.89
Board_2-USB2_FPGA_D+: length 64.1
  Top w0.2: v1(146.6,170.88) 146.72,170.99 169.65,170.99 170.88,172.23 170.88,174.38 171.64,175.14 R7#4.2 175.36,175.14 R12#2.1 175.5,175.18 D12#8.1
  Top w0.25: J1#15.2 137.46,163.56 140,163.56 140,164.28 v1(146.6,170.88)
  Bottom w0.2: 136.28,179.97 136.73,179.52 137.12,179.52 137.95,178.69 140.11,178.69 143.19,175.61 143.19,172.06 144.18,171.08 146.4,171.08 v1(146.6,170.88)
Board_2-USB2_FPGA_D-: length 58.3
  Top w0.2: D14#2.1 175.49,176.79 R11#12.1 175.28,176.58 R10#3.2 170.38,174.59 170.38,172.44 169.44,171.49 146.83,171.49 v1(146.6,171.73)
  Top w0.25: v1(146.6,171.73) 146.57,171.73 139.57,164.73 J1#15.1
  Bottom w0.2: v1(146.6,171.73) 146.4,171.53 144.36,171.53 143.65,172.25 143.65,175.8 139.47,179.97 138.82,179.97
Board_2-USB2_FPGA_PULL_D+: length 40.7
  Top w0.2: v1(164.46,176.05) 164.74,176.05 164.98,175.82 165.71,175.82 D8#13.2 166.43,175.05 D9#14.1
  Bottom w0.2: v1(164.46,176.05) 164.46,176.33 164.43,176.37 159.99,176.37 154.73,171.11 148.59,171.11 146.76,169.28 143.68,169.28 141.83,171.13 141.83,173.71 139.37,176.16 137.99,176.16 136.72,177.43 J1#15.12
Board_2-USB2_FPGA_PULL_D-: length 38.1
  Top w0.2: v1(165.06,176.65) 165.06,176.37 165.16,176.27 165.71,176.27 D11#14.1 166.49,179.04
  Bottom w0.2: J1#15.11 138.82,177.36 142.28,173.91 142.28,171.32 143.86,169.73 146.58,169.73 148.41,171.56 154.55,171.56 159.81,176.82 164.61,176.82 164.78,176.65 v1(165.06,176.65)
Board_3-+3V3: length 54.3
  Bottom w0.25: J2#20.2 245.4,171.61 241.53,171.61 235.78,165.86 211,165.86 U1#19.2 208.94,163.81 204.34,163.81 202.61,165.53 202.61,166.09 J1#20.3 J1#20.4
Board_3-+5V: length 134.7
  Top w0.2: D13#6.2 227.64,191.58
  Top w0.25: v1(225.21,164.54) 225.18,164.57 R13#2.1 ; 198.89,192.67 201.43,192.67
  Top w0.5: US3#10.1 215.8,185.13 218.29,187.62 D6.1 D6.2 ; D6.2 D13#6.2 ; D6.2 202.48,191.62 201.43,192.67 ; D13#6.2 D13#6.1 236.74,187.62 241.82,182.54 US4#12.1 ; D13#6.2 227.63,191.65 241.44,191.65 247.41,185.68 J2#20.1
  Bottom w0.25: J2#20.1 248.51,176.16 248.8,175.87 248.8,173.23 247.92,172.36 246.85,172.36 246.23,171.75 246.23,171.73 245.02,170.52 242.54,170.52 236.42,164.4 225.35,164.4 v1(225.21,164.54)
Board_3-/FPD1+: length 12.6
  Top w0.2: R6#6.2 215.35,175.94 215.77,175.94 216.11,175.6 216.11,174.99 v1(215.91,174.79)
  Bottom w0.2: v1(215.91,174.79) 216.11,174.99 216.11,176.79 215.83,177.08 214.17,177.08 212.07,179.17 212.07,180.81 US3#10.3
Board_3-/FPD1-: length 13.2
  Top w0.2: R5#15.2 215,176.39 215.96,176.39 216.57,175.79 216.57,174.99 v1(216.77,174.79)
  Bottom w0.2: v1(216.77,174.79) 216.57,174.99 216.57,176.98 216.01,177.53 214.35,177.53 212.52,179.36 212.52,180.81 US3#10.2
